# KiCad board Wrap030-ITX.kicad_pcb (continued)
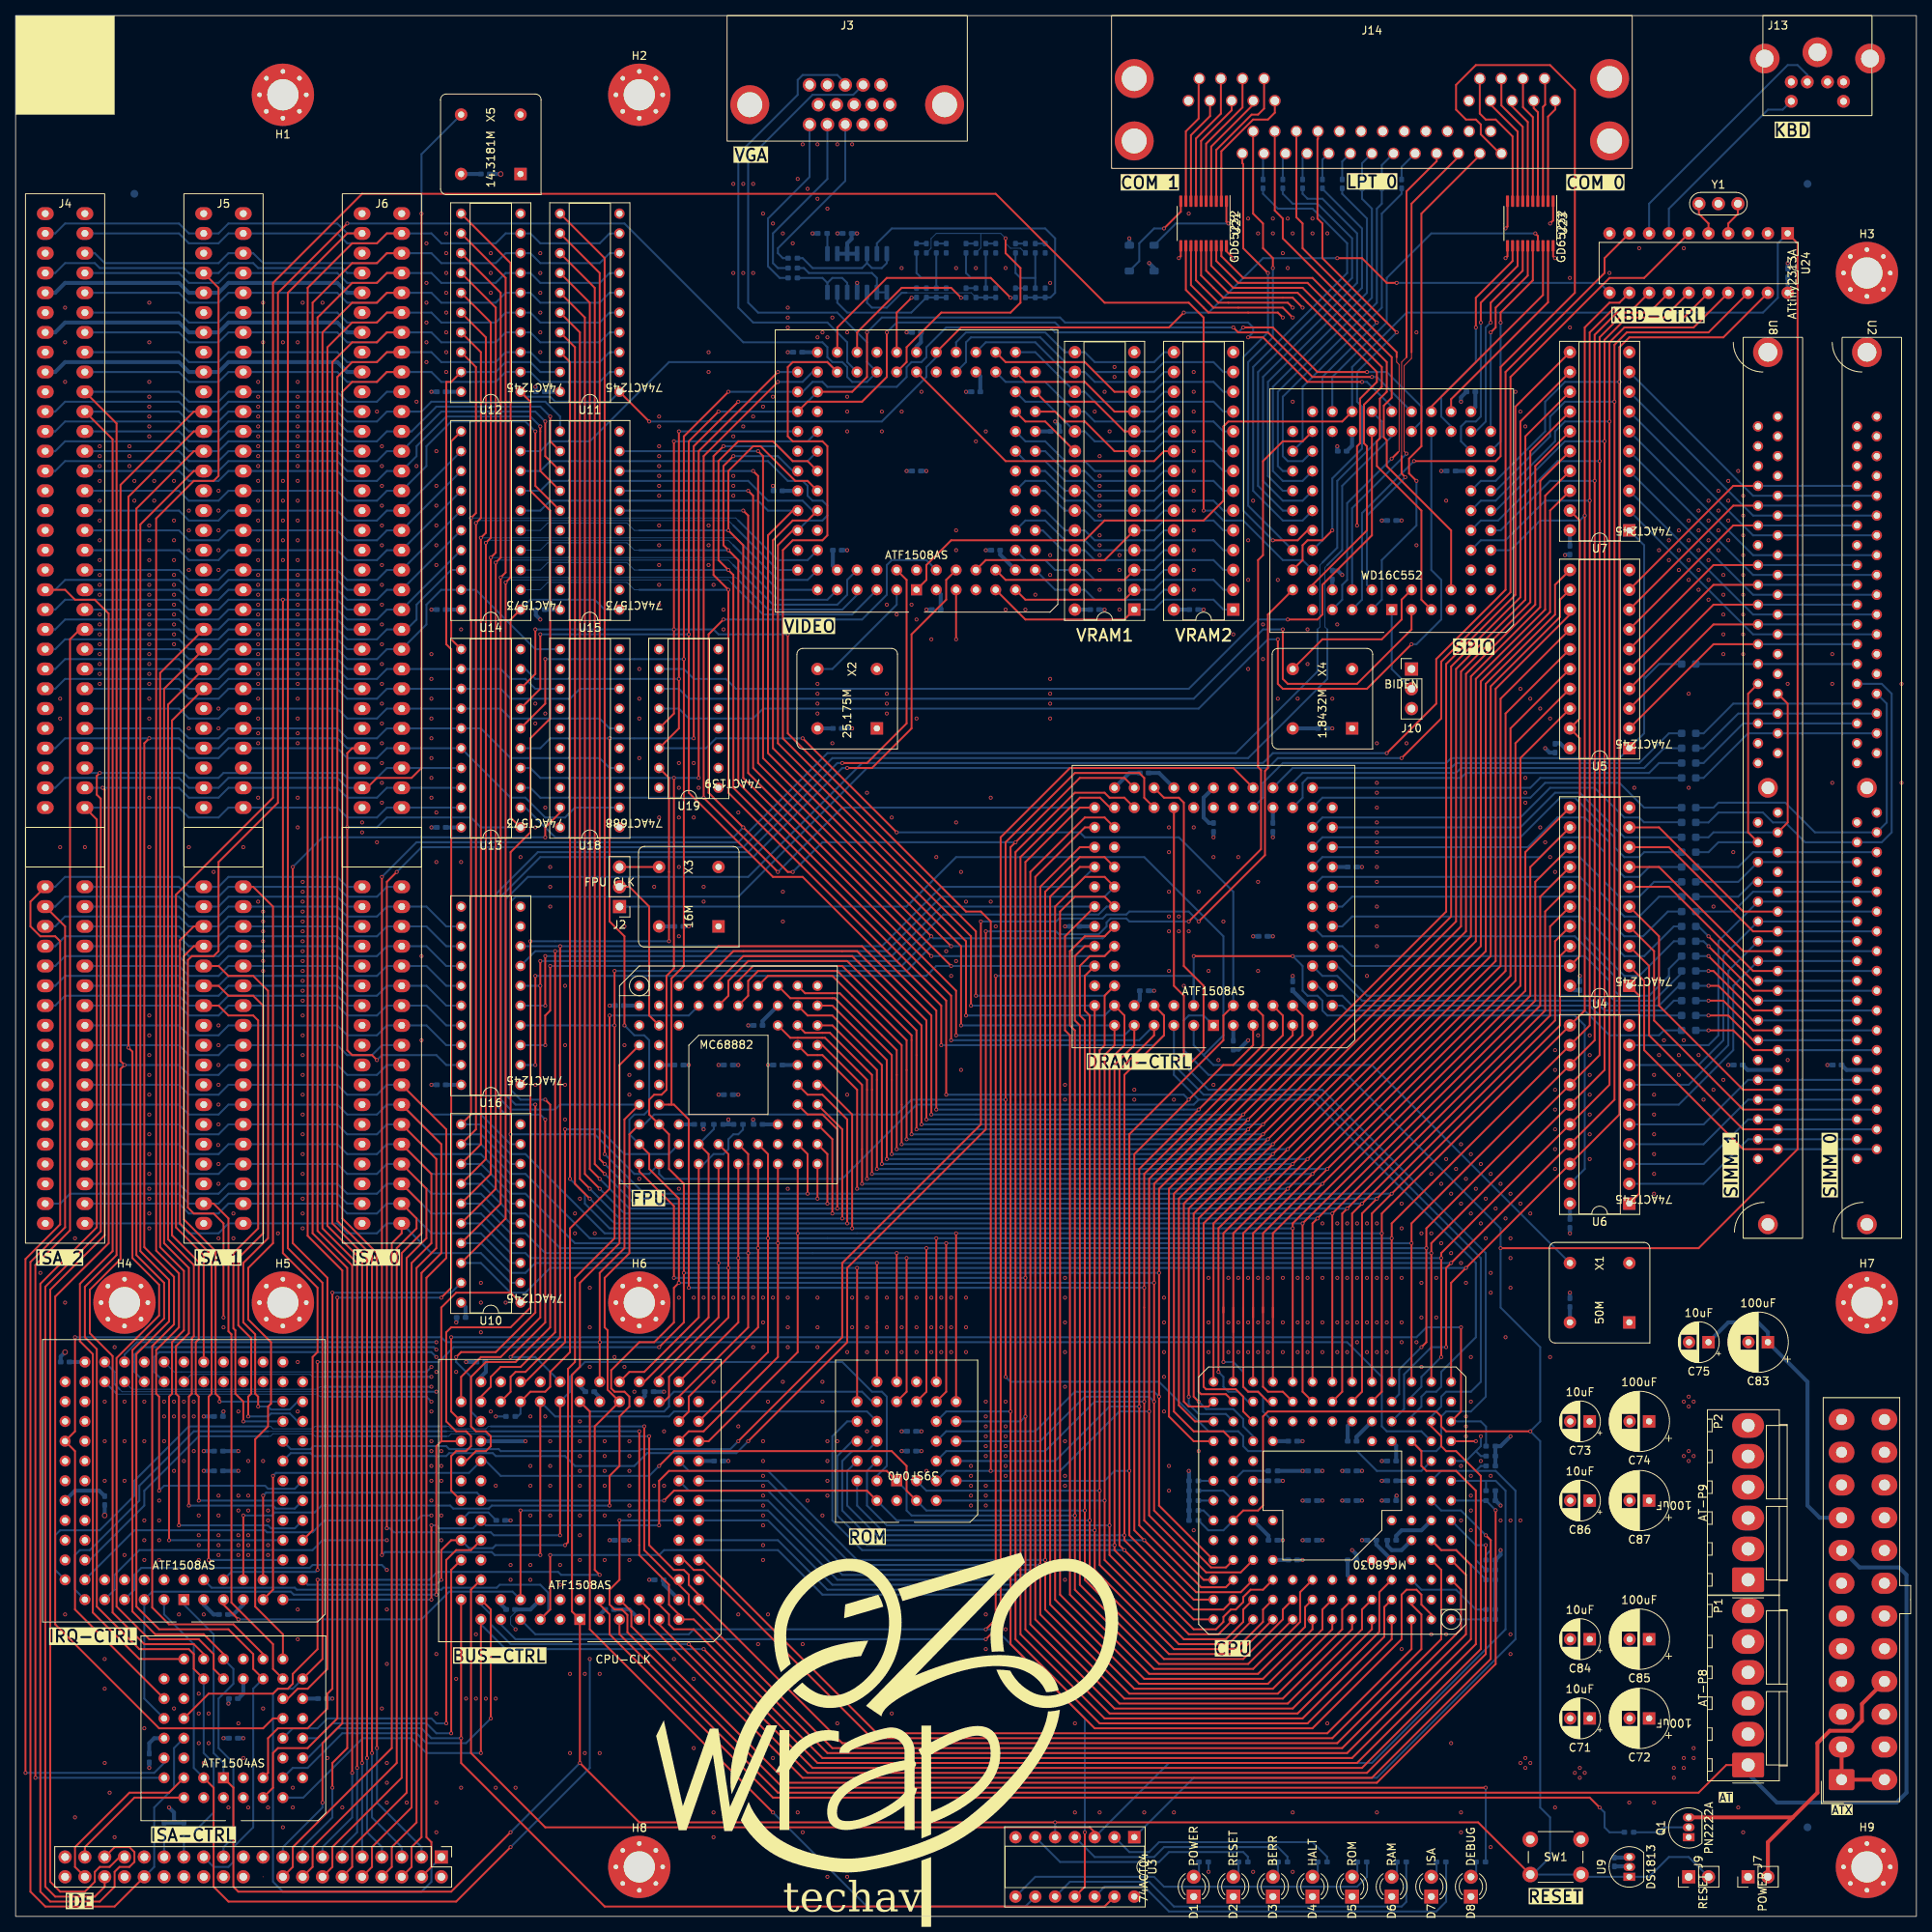
[diagram p0: board, top side]
## Nets (continued)
/Main-Memory/~{MEM-RAS2}: R44.1 RAMC1.30
/Main-Memory/~{MEM-RAS3R}: R43.2 U8.33 U8.45
/Main-Memory/~{MEM-RAS3}: R43.1 RAMC1.29
/Main-Memory/~{MEM-WER}: R47.2 U2.47 U8.47
/Main-Memory/~{MEM-WE}: R47.1 RAMC1.40 U4.1 U5.1 U6.1 U7.1
/Power-Supply/PWR_ON_R: Q1.2 R4.2
/Power-Supply/~{PWR_ON}: J7.2 J8.16 Q1.3
/Serial-Parallel-IO/COM0-CTS232: J14.A8 U23.7
/Serial-Parallel-IO/COM0-DCD232: J14.A1 U23.2
/Serial-Parallel-IO/COM0-DSR232: J14.A6 U23.3
/Serial-Parallel-IO/COM0-DTR232: J14.A4 U23.8
/Serial-Parallel-IO/COM0-RI232: J14.A9 U23.9
/Serial-Parallel-IO/COM0-RTS232: J14.A7 U23.5
/Serial-Parallel-IO/COM0-RX232: J14.A2 U23.4
/Serial-Parallel-IO/COM0-SIN: U20.41 U23.17
/Serial-Parallel-IO/COM0-SOUT: U20.26 U23.15
/Serial-Parallel-IO/COM0-TX232: J14.A3 U23.6
/Serial-Parallel-IO/COM1-CTS232: J14.B8 U21.7
/Serial-Parallel-IO/COM1-DCD232: J14.B1 U21.2
/Serial-Parallel-IO/COM1-DSR232: J14.B6 U21.3
/Serial-Parallel-IO/COM1-DTR232: J14.B4 U21.8
/Serial-Parallel-IO/COM1-RI232: J14.B9 U21.9
/Serial-Parallel-IO/COM1-RTS232: J14.B7 U21.5
/Serial-Parallel-IO/COM1-RX232: J14.B2 U21.4
/Serial-Parallel-IO/COM1-SIN: U20.62 U21.17
/Serial-Parallel-IO/COM1-SOUT: U20.10 U21.15
/Serial-Parallel-IO/COM1-TX232: J14.B3 U21.6
/Serial-Parallel-IO/PAR-BIDEN: J10.2 U20.1
/Serial-Parallel-IO/PAR-BUSY: J14.C11 U20.66
/Serial-Parallel-IO/PAR-D0: C93.1 U20.53
/Serial-Parallel-IO/PAR-D0-C: C93.2 J14.C2
/Serial-Parallel-IO/PAR-D1: C94.1 U20.52
/Serial-Parallel-IO/PAR-D1-C: C94.2 J14.C3
/Serial-Parallel-IO/PAR-D2: C95.1 U20.51
/Serial-Parallel-IO/PAR-D2-C: C95.2 J14.C4
/Serial-Parallel-IO/PAR-D3: C96.1 U20.50
/Serial-Parallel-IO/PAR-D3-C: C96.2 J14.C5
/Serial-Parallel-IO/PAR-D4: C97.1 U20.49
/Serial-Parallel-IO/PAR-D4-C: C97.2 J14.C6
/Serial-Parallel-IO/PAR-D5: C98.1 U20.48
/Serial-Parallel-IO/PAR-D5-C: C98.2 J14.C7
/Serial-Parallel-IO/PAR-D6: C99.1 U20.47
/Serial-Parallel-IO/PAR-D6-C: C99.2 J14.C8
/Serial-Parallel-IO/PAR-D7: C100.1 U20.46
/Serial-Parallel-IO/PAR-D7-C: C100.2 J14.C9
/Serial-Parallel-IO/PAR-PE: J14.C12 U20.67
/Serial-Parallel-IO/PAR-SLCT: J14.C13 U20.65
/Serial-Parallel-IO/SPIO-CLK: U20.4 X4.5
/Serial-Parallel-IO/SPIO-VDD: D9.1 U21.1 U23.1
/Serial-Parallel-IO/SPIO-VSS: D10.2 U21.10 U23.10
/Serial-Parallel-IO/~{COM0-CTS}: U20.28 U23.14
/Serial-Parallel-IO/~{COM0-DCD}: U20.29 U23.19
/Serial-Parallel-IO/~{COM0-DSR}: U20.31 U23.18
/Serial-Parallel-IO/~{COM0-DTR}: U20.25 U23.13
/Serial-Parallel-IO/~{COM0-RI}: U20.30 U23.12
/Serial-Parallel-IO/~{COM0-RTS}: U20.24 U23.16
/Serial-Parallel-IO/~{COM1-CTS}: U20.13 U21.14
/Serial-Parallel-IO/~{COM1-DCD}: U20.8 U21.19
/Serial-Parallel-IO/~{COM1-DSR}: U20.5 U21.18
/Serial-Parallel-IO/~{COM1-DTR}: U20.11 U21.13
/Serial-Parallel-IO/~{COM1-RI}: U20.6 U21.12
/Serial-Parallel-IO/~{COM1-RTS}: U20.12 U21.16
/Serial-Parallel-IO/~{PAR-ACK}: J14.C10 U20.68
/Serial-Parallel-IO/~{PAR-AFD}: J14.C14 U20.56
/Serial-Parallel-IO/~{PAR-ERR}: J14.C15 U20.63
/Serial-Parallel-IO/~{PAR-INIT}: J14.C16 U20.57
/Serial-Parallel-IO/~{PAR-SLIN}: J14.C17 U20.58
/Serial-Parallel-IO/~{PAR-STB}: J14.C1 U20.55
/Serial-Parallel-IO/~{SPIO-CS0}: U19.12 U20.32
/Serial-Parallel-IO/~{SPIO-CS1}: U19.11 U20.3
/Serial-Parallel-IO/~{SPIO-CS2}: U19.10 U20.38
/VidGen/VID-B-A: R69.1 R70.1 R71.1 VBUF1.6
/VidGen/VID-B-D: R68.1 VGEN1.51
/VidGen/VID-B-D1: R68.2 R69.2
/VidGen/VID-B-F: R78.1 VBUF1.5 VBUF1.7
/VidGen/VID-B-OUT: J3.3 R78.2
/VidGen/VID-G-A: R61.1 R62.1 R63.1 VBUF1.10
/VidGen/VID-G-D: R60.1 VGEN1.49
/VidGen/VID-G-D1: R60.2 R61.2
/VidGen/VID-G-F: R77.1 VBUF1.8 VBUF1.9
/VidGen/VID-G-OUT: J3.2 R77.2
/VidGen/VID-H: J3.13 VGEN1.50
/VidGen/VID-I-D: R57.2 R65.2 R73.2 VGEN1.46
/VidGen/VID-I-D1B: R72.1 R73.1
/VidGen/VID-I-D1G: R64.1 R65.1
/VidGen/VID-I-D1R: R56.1 R57.1
/VidGen/VID-I-D2B: R70.2 R72.2 R74.2
/VidGen/VID-I-D2G: R62.2 R64.2 R66.2
/VidGen/VID-I-D2R: R54.2 R56.2 R58.2
/VidGen/VID-I-D3B: R74.1 R75.1
/VidGen/VID-I-D3G: R66.1 R67.1
/VidGen/VID-I-D3R: R58.1 R59.1
/VidGen/VID-R-A: R53.1 R54.1 R55.1 VBUF1.13
/VidGen/VID-R-D: R52.1 VGEN1.45
/VidGen/VID-R-D1: R52.2 R53.2
/VidGen/VID-R-F: R76.1 VBUF1.12 VBUF1.14
/VidGen/VID-R-OUT: J3.1 R76.2
/VidGen/VID_A0: VGEN1.30 VRAM1.10 VRAM2.10
/VidGen/VID_A1: VGEN1.28 VRAM1.9 VRAM2.9
/VidGen/VID_A2: VGEN1.27 VRAM1.8 VRAM2.8
/VidGen/VID_A3: VGEN1.25 VRAM1.7 VRAM2.7
/VidGen/VID_A4: VGEN1.21 VRAM1.6 VRAM2.6
/VidGen/VID_A5: VGEN1.8 VRAM1.5 VRAM2.5
/VidGen/VID_A6: VGEN1.17 VRAM1.4 VRAM2.4
/VidGen/VID_A7: VGEN1.10 VRAM1.3 VRAM2.3
/VidGen/VID_A8: VGEN1.16 VRAM1.25 VRAM2.25
/VidGen/VID_A9: VGEN1.18 VRAM1.24 VRAM2.24
/VidGen/VID_A10: VGEN1.24 VRAM1.21 VRAM2.21
/VidGen/VID_A11: VGEN1.20 VRAM1.23 VRAM2.23
/VidGen/VID_A12: VGEN1.11 VRAM1.2 VRAM2.2
/VidGen/VID_A13: VGEN1.15 VRAM1.26 VRAM2.26
/VidGen/VID_A14: VGEN1.9 VRAM1.1 VRAM2.1
/VidGen/VID_CLK: VGEN1.83 X2.5
/VidGen/VID_D0: VGEN1.34 VRAM1.11 VRAM2.11
/VidGen/VID_D1: VGEN1.35 VRAM1.12 VRAM2.12
/VidGen/VID_D2: VGEN1.40 VRAM1.13 VRAM2.13
/VidGen/VID_D3: VGEN1.39 VRAM1.15 VRAM2.15
/VidGen/VID_D4: VGEN1.37 VRAM1.16 VRAM2.16
/VidGen/VID_D5: VGEN1.33 VRAM1.17 VRAM2.17
/VidGen/VID_D6: VGEN1.36 VRAM1.18 VRAM2.18
/VidGen/VID_D7: VGEN1.31 VRAM1.19 VRAM2.19
/VidGen/VID_TCK: VGEN1.62
/VidGen/VID_TDI: VGEN1.14
/VidGen/VID_TDO: VGEN1.71
/VidGen/VID_TMS: VGEN1.23
/VidGen/~{VID_CS0}: VGEN1.29 VRAM1.20
/VidGen/~{VID_CS1}: VGEN1.44 VRAM2.20
/VidGen/~{VID_RD}: VGEN1.22 VRAM1.22 VRAM2.22
/VidGen/~{VID_WR}: VGEN1.12 VRAM1.27 VRAM2.27
CPU-A0: CPU1.A2 GLUE1.81 RAMC1.51 ROM1.12 U13.2 U32.4 VGEN1.4
CPU-A1: CPU1.C4 GLUE1.80 RAMC1.54 ROM1.11 U1.K1 U13.3 U32.5 VGEN1.55
CPU-A2: CPU1.D13 RAMC1.11 ROM1.10 U1.H2 U13.4 U32.6 VGEN1.54
CPU-A3: CPU1.D12 RAMC1.10 ROM1.9 U1.J1 U13.5 U20.35 U32.8 VGEN1.57
CPU-A4: CPU1.C13 RAMC1.8 ROM1.8 U1.G2 U13.6 U20.34 VGEN1.56
CPU-A5: CPU1.C12 RAMC1.6 ROM1.7 U13.7 U20.33 VGEN1.58
CPU-A6: CPU1.D11 RAMC1.9 ROM1.6 U13.8 U19.13 VGEN1.61
CPU-A7: CPU1.B13 RAMC1.4 ROM1.5 U13.9 U19.14 VGEN1.60
CPU-A8: CPU1.B12 RAMC1.80 ROM1.27 U14.2 VGEN1.63
CPU-A9: CPU1.C11 RAMC1.5 ROM1.26 U14.3 VGEN1.65
CPU-A10: CPU1.A13 RAMC1.79 ROM1.23 U14.4 VGEN1.64
CPU-A11: CPU1.C10 RAMC1.77 ROM1.25 U14.5 VGEN1.67
CPU-A12: CPU1.B11 RAMC1.75 ROM1.4 U14.6 VGEN1.68
CPU-A13: CPU1.A12 RAMC1.76 ROM1.28 U14.7 VGEN1.69
CPU-A14: CPU1.B10 RAMC1.74 ROM1.29 U14.8 VGEN1.70
CPU-A15: CPU1.A11 RAMC1.73 ROM1.3 U14.9 VGEN1.52
CPU-A16: CPU1.B9 GLUE1.61 RAMC1.69 ROM1.2 U15.6 U32.9
CPU-A17: CPU1.A10 GLUE1.65 RAMC1.70 ROM1.30 U15.7 U16.2 U32.10
CPU-A18: CPU1.C8 GLUE1.67 RAMC1.67 ROM1.1 U15.8 U16.3 U32.11
CPU-A19: CPU1.A9 GLUE1.68 RAMC1.68 U15.9 U16.4 U32.12
CPU-A20: CPU1.B8 RAMC1.64 U16.5
CPU-A21: CPU1.A8 GLUE1.54 RAMC1.65 U16.6
CPU-A22: CPU1.B7 GLUE1.55 RAMC1.63 U16.7
CPU-A23: CPU1.A7 GLUE1.52 RAMC1.60 U16.8
CPU-A24: CPU1.A6 GLUE1.24 RAMC1.58
CPU-A25: CPU1.B6 GLUE1.27 RAMC1.61
CPU-A26: CPU1.A5 GLUE1.22 RAMC1.57
CPU-A27: CPU1.B5 GLUE1.25 RAMC1.56
CPU-A28: CPU1.A4 GLUE1.18 RAMC1.52
CPU-A29: CPU1.B4 GLUE1.20 RAMC1.55
CPU-A30: CPU1.A3 GLUE1.16
CPU-A31: CPU1.B3 GLUE1.17
CPU-CLK: CPU1.E1 GLUE1.83 J2.1 RAMC1.83 U17.43 U32.83 X1.5
CPU-D0: CPU1.K13 U1.A3 U7.11
CPU-D1: CPU1.K12 U1.A4 U7.12
CPU-D2: CPU1.L13 U1.B5 U7.13
CPU-D3: CPU1.M13 U1.A5 U7.14
CPU-D4: CPU1.L12 U1.A6 U7.15
CPU-D5: CPU1.K11 U1.B6 U7.16
CPU-D6: CPU1.M12 U1.A7 U7.17
CPU-D7: CPU1.L11 U1.A8 U7.18
CPU-D8: CPU1.N13 U1.A9 U5.11
CPU-D9: CPU1.M11 U1.C8 U5.12
CPU-D10: CPU1.L10 U1.B9 U5.13
CPU-D11: CPU1.N12 U1.B10 U5.14
CPU-D12: CPU1.M10 U1.D9 U5.15
CPU-D13: CPU1.N11 U1.C9 U5.16
CPU-D14: CPU1.M9 U1.C10 U5.17
CPU-D15: CPU1.N10 U1.D10 U5.18
CPU-D16: CPU1.N9 U1.F10 U4.11 U11.18
CPU-D17: CPU1.M8 U1.F9 U4.12 U11.17
CPU-D18: CPU1.N8 U1.G10 U4.13 U11.16
CPU-D19: CPU1.N7 U1.H10 U4.14 U11.15
CPU-D20: CPU1.M7 U1.G9 U4.15 U11.14
CPU-D21: CPU1.N6 U1.J10 U4.16 U11.13
CPU-D22: CPU1.M6 U1.K10 U4.17 U11.12
CPU-D23: CPU1.N5 U1.J9 U4.18 U11.11
CPU-D24: CPU1.M5 GLUE1.28 ROM1.13 U1.K9 U6.11 U10.11 U12.18 U20.14 U24.12 U32.44 VGEN1.73
CPU-D25: CPU1.N4 GLUE1.30 ROM1.14 U1.J7 U6.12 U10.12 U12.17 U20.15 U24.13 U32.45 VGEN1.74
CPU-D26: CPU1.N3 GLUE1.29 ROM1.15 U1.K8 U6.13 U10.13 U12.16 U20.16 U24.14 U32.46 VGEN1.76
CPU-D27: CPU1.M4 GLUE1.31 ROM1.17 U1.K7 U6.14 U10.14 U12.15 U20.17 U24.15 U32.48 VGEN1.75
CPU-D28: CPU1.N2 GLUE1.34 ROM1.18 U1.J6 U6.15 U10.15 U12.14 U20.18 U24.16 U32.49 VGEN1.77
CPU-D29: CPU1.M3 GLUE1.33 ROM1.19 U1.K6 U6.16 U10.16 U12.13 U20.19 U24.17 U32.50 VGEN1.80
CPU-D30: CPU1.L4 GLUE1.35 ROM1.20 U1.K5 U6.17 U10.17 U12.12 U20.20 U24.18 U32.51 VGEN1.79
CPU-D31: CPU1.N1 GLUE1.36 ROM1.21 U1.J5 U6.18 U10.18 U12.11 U20.21 U24.19 U32.52 VGEN1.81
FC0: CPU1.D2 GLUE1.12 U32.73
FC1: CPU1.C1 GLUE1.15 U32.74
FC2: CPU1.D1 GLUE1.11 U32.75
ISA-IRQ2: J4.4 J5.4 J6.4 U32.22
ISA-IRQ3: J4.25 J5.25 J6.25 U32.21
ISA-IRQ4: J4.24 J5.24 J6.24 U32.20
ISA-IRQ5: J4.23 J5.23 J6.23 U32.18
ISA-IRQ6: J4.22 J5.22 J6.22 U32.17
ISA-IRQ7: J4.21 J5.21 J6.21 U32.16
ISA-IRQ10: J4.65 J5.65 J6.65 U32.15
ISA-IRQ11: J4.66 J5.66 J6.66 U32.31
ISA-IRQ12: J4.67 J5.67 J6.67 U32.30
ISA-IRQ14: J4.69 J5.69 J6.69 U32.29
ISA-IRQ15: J4.68 J5.68 J6.68 U32.28
PWR_OK: GLUE1.5 J8.8 P1.1
PWR_ON_L: GLUE1.4 R4.1
R/~{W}: CPU1.L3 GLUE1.58 RAMC1.81 U1.K2 U10.1 U11.1 U12.1 U17.33 U24.11 U32.81 VGEN1.41
SIZ0: CPU1.L2 GLUE1.76 RAMC1.48 U17.8
SIZ1: CPU1.K3 GLUE1.75 RAMC1.49 U17.6
SPIO-INT0: U20.45 U32.25
SPIO-INT1: U20.60 U32.27
VID-V: J3.14 U32.24 VGEN1.48
~{AS}: CPU1.J2 GLUE1.40 RAMC1.50 U1.H1 U17.34
~{AVEC}: CPU1.E2 GLUE1.10 R21.1
~{BERR}: CPU1.H1 GLUE1.73 R25.1 U3.3
~{BGACK}: CPU1.C3 R20.1
~{BG}: CPU1.B2
~{BR}: CPU1.A1 R19.1
~{BUS-DSACK0}: GLUE1.37 R30.1 U1.J4
~{BUS-DSACK1}: GLUE1.39 R29.1 U1.K4
~{CBACK}: CPU1.J1 R13.1 RAMC1.45
~{CBREQ}: CPU1.K1 RAMC1.44
~{CDIS}: CPU1.H12 R15.1
~{CIIN}: CPU1.L1 GLUE1.56 R14.1
~{CIOUT}: CPU1.C2
~{DBEN}: CPU1.M1
~{DSACK0}: CPU1.F1 GLUE1.9 R22.1
~{DSACK1}: CPU1.G2 GLUE1.8 R23.1
~{DS}: CPU1.K2 GLUE1.41 U1.G1 U17.31 U32.60 VGEN1.6
~{ECS}: CPU1.M2
~{FPU-CE}: GLUE1.49 U1.J3
~{FPU-SENSE}: GLUE1.50 R3.1 U1.B4
~{HALT}: CPU1.H2 R26.1 U3.1
~{IPEND}: CPU1.E13
~{IPL0}: CPU1.H13 R16.1 U32.76
~{IPL1}: CPU1.G13 R18.1 U32.77
~{IPL2}: CPU1.G12 R17.1 U32.79
~{IRQ-CE}: U32.84
~{IRQ-DSACK}: U32.70
~{ISA-CE}: GLUE1.74 U3.13 U17.9
~{ISA-DACK8}: GLUE1.70 U17.11
~{ISA-DACK16}: GLUE1.69 U17.12
~{MEM-RD}: GLUE1.48 ROM1.24 U20.37
~{MEM-WR}: GLUE1.46 ROM1.31 U20.36
~{MMUDIS}: CPU1.F13 R28.1
~{OCS}: CPU1.D3
~{PS2-ACK}: GLUE1.57 U24.9
~{PS2-ATN}: GLUE1.60 U24.6
~{RAM-CE}: GLUE1.79 RAMC1.84 U3.11 U4.19 U5.19 U6.19 U7.19
~{RAM-DSACK}: GLUE1.77 RAMC1.39
~{REFILL}: CPU1.J13
~{RESET}: CPU1.F12 GLUE1.1 J9.2 R27.1 RAMC1.1 SW1.1 U1.D1 U3.5 U9.1 U17.1 U20.39 U24.1 U32.1 VGEN1.1
~{RMC}: CPU1.B1
~{ROM-CE}: GLUE1.44 ROM1.22 U3.9
~{SPIO-CE}: GLUE1.64 U19.15
~{SPIO-INT2}: U20.59 U32.41
~{STATUS}: CPU1.J12
~{STERM}: CPU1.G1 GLUE1.6 R24.1
~{VID-CE}: GLUE1.45 VGEN1.84
~{VID-DSACK}: GLUE1.63 VGEN1.5
Net-(J8-+3.3V-Pad1): J8.1 J8.2 J8.12 J8.13
Net-(U24-PA0/XTAL1): U24.5 Y1.1
Net-(U24-PA1/XTAL2): U24.4 Y1.3
Net-(VBUF1A-OUT1): R79.1 VBUF1.1

Pads without a net: CPU1 D5 E12 F4 F10 K5; GLUE1 2 14 23 51 62 71 84; IDE0 21 28 31 34 39; J3 4 9 11 12 15; J4 6 8 10 15 16 17 18 19 26 27 32 70 71 72 73 74 75 76 77; J5 6 8 10 15 16 17 18 19 26 27 32 70 71 72 73 74 75 76 77; J6 6 8 10 15 16 17 18 19 26 27 32 70 71 72 73 74 75 76 77; J8 20; J13 2 6; RAMC1 2 14 23 41 46 62 71; U1 E1; U2 11 35 36 37 38 46 48 66 67 68 69 70 71; U8 11 35 36 37 38 46 48 66 67 68 69 70 71; U15 16 17 18 19; U16 11; U17 2 3 7 13 29 32 38 44; U19 4 5 6 7 9; U20 9 22 42 44 61; U32 2 14 23 33 34 35 36 37 39 54 55 56 57 58 61 62 63 64 65 67 68 69 71 80; VGEN1 2; X1 1; X2 1; X3 1; X4 1; X5 1

## Via types
v1: diameter 0.5, hole 0.3, Top to Bottom, 1634 vias
v2: diameter 0.7, hole 0.5, Top to Bottom, 3 vias

## Routing (per net, layer and track width the routed paths; a pad name or vN(x,y) marks a point on that pad's centre or on a via; arc(x,y) is an arc through that point)
+5VP: length 38.5
  Bottom w0.508: C75.1 219.71,76.2 223.52,76.2 224.79,74.93 C83.1 229.87,68.58 229.87,52.71 231.43,51.14 J8.9
+12V: length 525.5
  In1.Cu w0.508: v1(145.41,212.09) 144.14,212.09 132.08,224.16 73.03,224.16 71.12,226.06 52.07,226.06 47.62,221.62 47.62,200.03 45.72,198.12 J6.9
  In1.Cu w1.27: C72.1 209.55,24.13 208.28,22.86 201.93,22.86 ; 201.93,22.86 194.31,15.24 60.96,15.24 43.18,33.02 43.18,80.01 33.02,90.17 33.02,198.12 ; 201.93,22.86 C71.1
  Bottom w0.508: J4.9 5.08,198.12 6.35,199.39 20.95,199.39 22.23,198.12 J5.9 26.03,198.12 27.3,199.39 41.27,199.39 42.54,198.12 J6.9 ; D9.2 146.05,211.46 v1(145.41,212.09)
-5V: length 525.7
  In1.Cu w1.27: 205.74,50.8 207.05,52.11 C87.2 ; 205.74,50.8 200.66,50.8 199.43,52.03 C86.2 ; 205.74,50.8 219.71,50.8 ; J5.5 21.59,208.28 12.7,199.39 12.7,87.63 2.54,77.47 2.54,21.59 11.43,12.7 83.82,12.7 88.9,7.62 185.42,7.62 190.5,12.7 210.82,12.7 217.17,19.05 217.17,48.26 219.71,50.8 ; P2.3 220.01,51.1 219.71,50.8
  Bottom w0.508: J4.5 5.08,208.28 6.35,209.55 20.95,209.55 22.23,208.28 J5.5 26.03,208.28 27.3,209.55 41.27,209.55 42.54,208.28 J6.5
-12V: length 519.2
  In1.Cu w0.508: v1(142.88,215.27) 132.72,225.43 73.66,225.43 71.75,227.33 51.43,227.33 46.35,222.25 46.35,203.84 45.72,203.2 J6.7
  In1.Cu w1.27: J6.7 43.18,203.2 40.64,200.66 40.64,88.9 45.72,83.82 45.72,38.1 66.04,17.78 186.69,17.78 199.39,30.48 199.39,33.02 ; 199.39,33.02 205.74,33.02 207.05,34.33 C85.2 ; 199.39,33.02 199.39,35.52 C84.2
  Bottom w0.508: J6.7 42.54,203.2 41.27,204.47 27.3,204.47 26.03,203.2 J5.7 22.23,203.2 20.95,204.47 6.35,204.47 5.08,203.2 J4.7 ; v1(142.88,215.27) D10.1
GND: length 109.9
  Top w0.254: U23.11 191.38,212.98 v1(191.13,212.73) ; v1(149.22,212.73) 149.47,212.98 U21.11
  Bottom w0.127: v1(64.13,36.83) 63.5,37.47 63.5,38.42 64.07,38.99 C44.2
  Bottom w0.508: C90.2 v1(182.88,185.42) ; C111.2 v1(24.13,57.15) ; C22.2 v1(99.06,200.66) ; C55.2 v1(163.83,120.65) ; C62.2 v1(199.39,87.63) ; C23.2 v1(124.46,175.26) ; C31.2 v1(199.39,80.01) ; C43.2 74.93,66.61 GLUE1.42 ; C51.2 v1(161.29,125.73) ; C61.2 196.78,149.29 v1(196.22,149.86) ; CPU1.E3 177.8,46.99 176.53,46.99 175.96,47.56 C6.2 ; C21.2 v1(114.3,203.2) ; C66.2 206.94,7.55 U9.3 ; C16.2 v1(167.64,57.15) ; C3.2 172.02,61.53 CPU1.L5 ; C40.2 v1(90.17,109.22) ; v1(66.68,196.22) 66.74,196.15 C78.2 ; v1(133.35,191.77) 133.92,191.2 C26.2 ; C37.2 94.62,101.67 v1(94.62,102.24) ; v1(170.18,172.09) 169.61,172.65 C91.2 ; C19.2 v1(114.3,185.42) ; C58.2 v1(153.67,138.43) ; v1(198.75,174.62) 198.82,174.69 C63.2 ; C18.2 v1(116.2,62.23) ; C115.2 v1(24.13,64.14) ; C9.2 v1(162.56,48.26) ; C34.2 v1(86.36,109.22) ; v1(27.3,27.31) 27.3,27.87 C69.2 ; C101.2 v1(168.91,152.4) ; C35.2 v1(76.2,116.84) ; C53.2 v1(134.62,127) ; v2(6.35,72.39) 5.78,71.82 C112.2 ; C80.2 v1(53.34,167.64) ; C10.2 v1(167.64,48.26) ; VBUF1.11 v1(107.95,209.55) ; C50.2 v1(81.28,43.18) ; C39.2 v1(96.52,109.22) ; v1(200.66,120.65) C60.2 ; v1(171.45,46.99) 172.02,46.42 C14.2 ; C1.2 v1(165.1,60.96) ; v1(97.16,183.51) 97.22,183.45 C27.2 ; C41.2 v1(90.17,105.41) ; C11.2 v1(175.26,58.42) ; v1(83.19,67.31) 81.91,67.31 ; C57.2 v1(146.05,118.75) ; C44.2 66.04,39.37 GLUE1.82 ; RAMC1.47 146.69,146.69 C54.2 ; C25.2 v1(106.68,175.26) ; C42.2 v1(76.2,48.26) ; C116.2 27.94,38.74 29.21,40 U32.7 ; C117.2 v2(62.23,223.52) ; C8.2 v1(172.72,48.26) ; C68.2 v1(17.14,19.05) ; C46.2 v1(91.44,58.42) ; v1(56.51,76.2) 56.58,76.27 C76.2 ; C13.2 v1(167.64,53.34) ; C114.2 v2(11.43,51.44) ; C65.2 v1(219.71,109.22) ; C28.2 v1(139.7,167.64) ; C47.2 v1(63.5,50.8) ; C89.2 169.54,188.03 v1(169.54,188.6) ; C4.2 v1(172.72,53.34) ; GLUE1.7 78.74,39.37 C48.2 ; v1(67.31,166.37) 66.74,166.94 C81.2 ; C38.2 v1(93.98,114.3) ; C92.2 v1(175.26,179.07) ; C82.2 v1(53.34,106.68) ; C15.2 v1(172.72,57.15) ; v1(57.79,71.12) C49.2 ; C59.2 156.91,111.19 v1(158.11,112.4) ; C113.2 v1(24.13,59.69) ; C24.2 v1(116.84,167.64) ; v1(88.26,100.97) 88.2,101.03 C36.2 ; C56.2 v1(161.29,138.43) ; C110.2 v1(227.33,212.09) ; C2.2 v1(162.56,55.88) ; C88.2 185.42,194.88 v1(185.42,194.31) ; C30.2 v1(107.31,152.4) ; C17.2 v1(116.2,59.69) ; C77.2 v1(53.34,195.58) ; C12.2 v1(175.26,55.88) ; C5.2 v1(175.26,53.34) ; C70.2 v1(40.64,27.94) ; C64.2 v1(232.41,109.22) ; C52.2 v1(172.72,134.62) ; C32.2 v1(105.41,215.9) ; C29.2 v1(152.4,167.64) ; C20.2 v1(121.92,195.58) ; GLUE1.59 v1(65.41,60.96) ; C79.2 v1(53.34,139.7) ; C7.2 v1(165.1,45.72) ; C33.2 v1(86.36,127) ; C67.2 v1(26.67,22.86)